# Altium PCB ZYNQ_IPMC.PcbDoc (part 1 of 6) (continued)
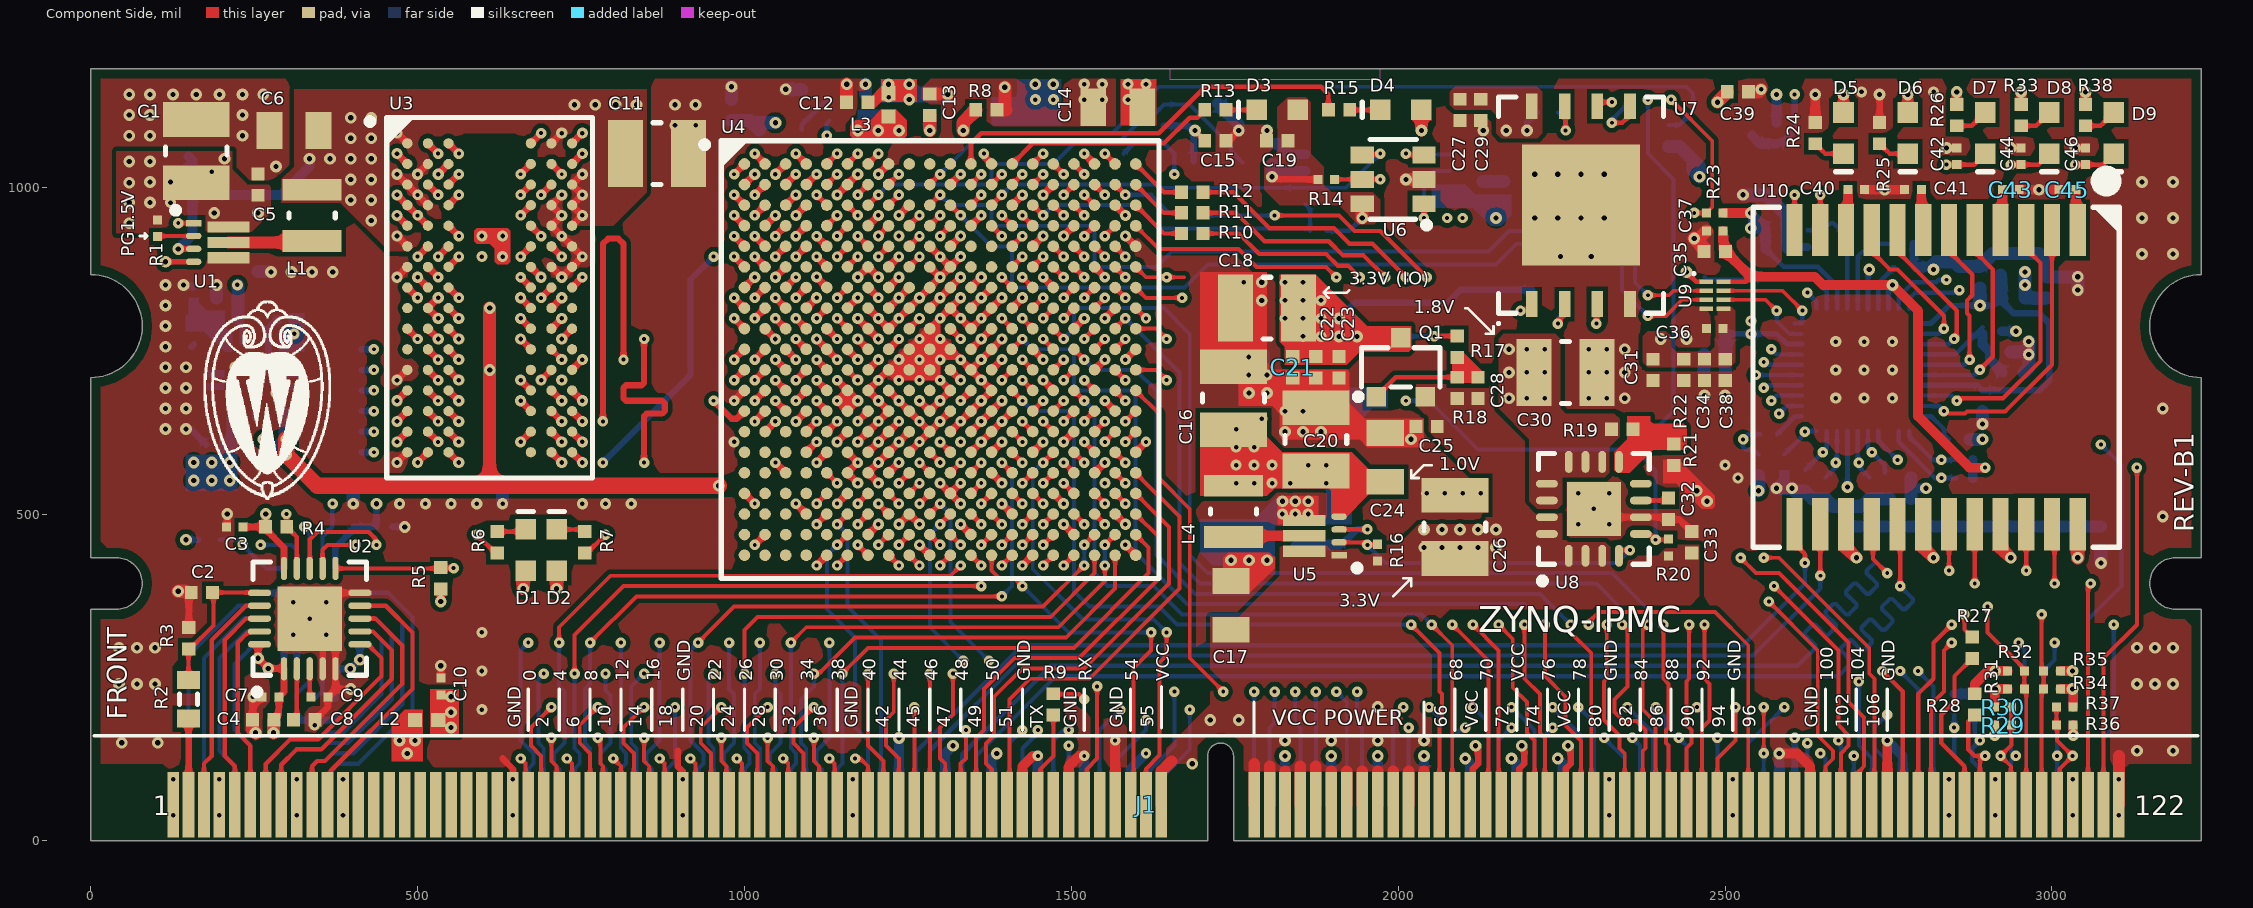
[diagram p0: Component Side view]
## Components (designator, comment, footprint, x,y, rotation, side; value= is the part's Value field where it differs from the comment)
C1 "?" C1210_IPC_H 161.42,1055.12 r90 top value=100uF (schematic designator C142)
C2 "?" C0402_IPC_H 170,380 r0 top value=47nF (schematic designator C95)
C3 "?" C0201_IPC_H 220.47,480.32 r0 top value=0.1uF (schematic designator C102)
C4 "?" C0402_IPC_H 263.78,185.04 r0 top value=10uF (schematic designator C101)
C5 "?" C0402_IPC_H 255.91,1003.94 r90 top value=10uF (schematic designator C139)
C6 "?" C0805_M 311.02,1086.61 r0 top value=47uF (schematic designator C140)
C7 "?" C0201_IPC_H 275,220 r0 top value=0.1uF (schematic designator C100)
C8 "?" C0402_IPC_H 326.77,185.04 r180 top value=10uF (schematic designator C96)
C9 "?" C0201_IPC_H 350,220 r180 top value=0.1uF (schematic designator C97)
C10 "?" C0201_IPC_H 535.43,236.22 r270 top value=0.1uF (schematic designator C106)
C11 "?" C1210_IPC_H 866.14,1051.18 r0 top value=100uF (schematic designator C67)
C12 "?" C0402_IPC_H 1172.64,1129.92 r180 top value=0.1uF (schematic designator C143)
C13 "?" C0402_IPC_H 1283.46,1125.98 r90 top value=0.47uF (schematic designator C77)
C14 "?" C0805_M 1570.87,1122.05 r180 top value=47uF (schematic designator C75)
C15 "?" C0402_IPC_H 1720.47,1070.87 r180 top value=0.1uF (schematic designator C147)
C16 "?" C1210_IPC_H 1748.03,677.17 r90 top value=100uF (schematic designator C78)
C17 "?" C0805_M 1744.09,360.24 r90 top value=47uF (schematic designator C132)
C18 "?" C1210_IPC_H 1799.21,814.96 r180 top value=100uF (schematic designator C39)
C19 "?" C0402_IPC_H 1814.96,1070.87 r180 top value=10uF (schematic designator C31)
C20 "?" C1210_IPC_H 1874.02,614.17 r90 top value=100uF (schematic designator C90)
C21 "?" C0402_IPC_H 1838.58,724.41 r270 top value=0.47uF (schematic designator C65)
C22 "?" C0402_IPC_H 1874.02,724.41 r270 top value=0.47uF (schematic designator C54)
C23 "?" C0402_IPC_H 1909.45,724.41 r270 top value=10uF (schematic designator C137)
C24 "?" C0805_M 1980.31,586.61 r270 top value=47uF (schematic designator C133)
C25 "?" C0402_IPC_H 2043.31,633.86 r180 top value=10uF (schematic designator C135)
C26 "?" C1210_IPC_H 2086.61,480.32 r90 top value=100uF (schematic designator C141)
C27 "?" C0402_IPC_H 2094.49,1118.11 r270 top value=0.1uF (schematic designator C32)
C28 "?" C0402_IPC_H 2122.05,692.91 r90 top value=10uF (schematic designator C136)
C29 "?" C0402_IPC_H 2125.98,1118.11 r270 top value=10uF (schematic designator C33)
C30 "?" C1210_IPC_H 2255.91,716.54 r0 top value=100uF (schematic designator C36)
C31 "?" C0402_IPC_H 2389.76,720.47 r90 top value=10uF (schematic designator C134)
C32 "?" C0402_IPC_H 2413.39,507.87 r270 top value=47nF (schematic designator C138)
C33 "?" C0402_IPC_H 2448.82,456.69 r90 top value=10uF (schematic designator C131)
C34 "?" C0402_IPC_H 2468.5,720.47 r270 top locked value=0.1uF (schematic designator C144)
C35 "?" C0402_IPC_H 2484.25,901.57 r0 top value=4.7uF (schematic designator C130)
C36 "?" C0201_IPC_H 2484.25,783.46 r0 top value=0.1uF (schematic designator C114)
C37 "?" C0201_IPC_H 2484.25,933.07 r0 top value=0.1uF (schematic designator C115)
C38 "?" C0402_IPC_H 2500,720.47 r270 top value=0.1uF (schematic designator C145)
C39 "?" C0402_IPC_H 2519.68,1145.67 r0 top value=0.1uF (schematic designator C146)
C40 "?" C0201_IPC_H 2700.79,996.06 r0 top value=0.1uF (schematic designator C108)
C41 "?" C0201_IPC_H 2787.4,996.06 r180 top value=0.1uF (schematic designator C109)
C42 "?" C0201_IPC_H 2854.33,1047.24 r270 top value=470pF (schematic designator C117)
C43 "?" C0201_IPC_H 2937.01,996.06 r0 top value=0.1uF (schematic designator C110)
C44 "?" C0201_IPC_H 2952.76,1047.24 r270 top value=470pF (schematic designator C116)
C45 "?" C0201_IPC_H 3023.62,996.06 r180 top value=0.1uF (schematic designator C111)
C46 "?" C0201_IPC_H 3051.18,1047.24 r270 top value=470pF (schematic designator C118)
C47 "?" C0402_IPC_H 3074.8,464.57 r90 bottom value=1000pF (schematic designator C107)
C48 "?" C0402_IPC_H 2992.13,846.46 r270 bottom value=0.1uF (schematic designator C119)
C49 "?" C0402_IPC_H 2940.94,716.54 r180 bottom value=0.1uF (schematic designator C124)
C50 "?" C0402_IPC_H 2921.26,748.03 r180 bottom value=4.7uF (schematic designator C125)
C51 "?" C0402_IPC_H 2921.26,881.89 r270 bottom value=0.1uF (schematic designator C128)
C52 "?" C0402_IPC_H 2893.7,673.23 r90 bottom value=0.1uF (schematic designator C127)
C53 "?" C0402_IPC_H 2889.76,862.2 r270 bottom value=0.1uF (schematic designator C126)
C54 "?" C0402_IPC_H 2767.72,523.62 r0 bottom value=4.7uF (schematic designator C129)
C55 "?" C0201_IPC_H 2775.59,913.39 r180 bottom value=27pF (schematic designator C113)
C56 "?" C0201_IPC_H 2625.98,921.26 r90 bottom value=27pF (schematic designator C112)
C57 "?" C0402_IPC_H 2578.15,905.51 r180 bottom value=0.1uF (schematic designator C122)
C58 "?" C0402_IPC_H 2578.15,937.01 r180 bottom value=10uF (schematic designator C123)
C59 "?" C0402_IPC_H 2484.25,712.6 r0 bottom value=10uF (schematic designator C120)
C60 "?" C0402_IPC_H 2484.25,744.09 r0 bottom value=0.1uF (schematic designator C121)
C61 "?" C1210_IPC_H 2255.91,716.54 r0 bottom value=100uF (schematic designator C58)
C62 "?" C0402_IPC_H 2161.42,992.13 r90 bottom value=0.1uF (schematic designator C34)
C63 "?" C0402_IPC_H 2129.92,992.13 r90 bottom value=10uF (schematic designator C35)
C64 "?" C1210_IPC_H 1874.02,614.17 r90 bottom value=100uF (schematic designator C79)
C65 "?" C1210_IPC_H 1799.21,814.96 r180 bottom value=100uF (schematic designator C51)
C66 "?" C0402_IPC_H 1807.09,1051.18 r90 bottom value=0.1uF (schematic designator C30)
C67 "?" C1210_IPC_H 1748.03,512.8 r270 bottom value=100uF (schematic designator C87)
C68 "?" C1210_IPC_H 1748.03,677.17 r90 bottom value=100uF (schematic designator C80)
C69 "?" C0402_IPC_H 1582.68,937.01 r270 bottom value=0.47uF (schematic designator C66)
C70 "?" C0402_IPC_H 1566.93,740.16 r180 bottom value=4.7uF (schematic designator C61)
C71 "?" C0402_IPC_H 1578.74,468.5 r90 bottom value=4.7uF (schematic designator C53)
C72 "?" C0402_IPC_H 1555.12,562.99 r270 bottom value=0.47uF (schematic designator C55)
C73 "?" C0402_IPC_H 1539.37,795.28 r0 bottom value=0.47uF (schematic designator C64)
C74 "?" C0805_M 1496.06,1122.05 r0 bottom value=47uF (schematic designator C48)
C75 "?" C0402_IPC_H 1472.44,921.26 r0 bottom value=4.7uF (schematic designator C37)
C76 "?" C0402_IPC_H 1484.25,500 r90 bottom value=0.47uF (schematic designator C57)
C77 "?" C0402_IPC_H 1468.5,610.24 r0 bottom value=4.7uF (schematic designator C52)
C78 "?" C0402_IPC_H 1456.69,716.54 r90 bottom value=0.47uF (schematic designator C63)
C79 "?" C0402_IPC_H 1437.01,984.25 r180 bottom value=0.47uF (schematic designator C38)
C80 "?" C0402_IPC_H 1409.45,826.77 r180 bottom value=4.7uF (schematic designator C62)
C81 "?" C0402_IPC_H 1377.95,610.24 r180 bottom value=0.47uF (schematic designator C83)
C82 "?" C0402_IPC_H 1377.95,641.73 r0 bottom value=4.7uF
C83 "?" C0402_IPC_H 1377.95,673.23 r180 bottom value=0.47uF (schematic designator C85)
C84 "?" C0402_IPC_H 1377.95,736.22 r180 bottom value=4.7uF (schematic designator C81)
C85 "?" C0402_IPC_H 1377.95,767.72 r0 bottom value=0.47uF (schematic designator C86)
C86 "?" C0402_IPC_H 1389.76,531.5 r90 bottom value=0.47uF (schematic designator C56)
C87 "?" C0402_IPC_H 1346.46,704.72 r0 bottom value=4.7uF (schematic designator C59)
C88 "?" C0402_IPC_H 1362.2,846.46 r90 bottom value=0.47uF (schematic designator C84)
C89 "?" C0402_IPC_H 1334.65,500 r270 bottom value=0.47uF (schematic designator C47)
C90 "?" C0402_IPC_H 1330.71,846.46 r270 bottom value=4.7uF (schematic designator C88)
C91 "?" C0402_IPC_H 1330.71,909.45 r90 bottom value=0.1uF (schematic designator C149)
C92 "?" C0402_IPC_H 1299.21,657.48 r90 bottom value=0.47uF (schematic designator C60)
C93 "?" C0402_IPC_H 1299.21,846.46 r90 bottom value=0.47uF (schematic designator C89)
C94 "?" C0402_IPC_H 1251.97,673.23 r0 bottom value=4.7uF (schematic designator C49)
C95 "?" C0402_IPC_H 1251.97,799.21 r180 bottom value=0.1uF (schematic designator C76)
C96 "?" C0402_IPC_H 1251.97,830.71 r0 bottom value=0.47uF (schematic designator C50)
C97 "?" C0402_IPC_H 1263.78,468.5 r90 bottom value=0.47uF (schematic designator C44)
C98 "?" C0402_IPC_H 1220.47,610.24 r0 bottom value=0.47uF (schematic designator C94)
C99 "?" C0402_IPC_H 1220.47,736.22 r0 bottom value=0.47uF (schematic designator C92)
C100 "?" C0402_IPC_H 1220.47,862.2 r180 bottom value=0.47uF (schematic designator C73)
C101 "?" C0402_IPC_H 1220.47,956.69 r0 bottom value=4.7uF (schematic designator C40)
C102 "?" C0402_IPC_H 1219.88,578.74 r180 bottom value=0.47uF (schematic designator C45)
C103 "?" C0402_IPC_H 1216.54,484.25 r0 bottom value=0.47uF (schematic designator C46)
C104 "?" C0402_IPC_H 1188.98,547.24 r0 bottom value=4.7uF (schematic designator C42)
C105 "?" C0402_IPC_H 1188.98,673.23 r0 bottom value=4.7uF (schematic designator C43)
C106 "?" C0402_IPC_H 1188.98,767.72 r180 bottom value=0.47uF (schematic designator C93)
C107 "?" C0402_IPC_H 1188.98,799.21 r0 bottom value=4.7uF (schematic designator C91)
C108 "?" C0402_IPC_H 1185.04,1019.68 r0 bottom value=0.47uF (schematic designator C41)
C109 "?" C0402_IPC_H 1185.04,1125.98 r90 bottom value=10uF (schematic designator C74)
C110 "?" C0402_IPC_H 1157.48,610.24 r180 bottom value=0.1uF (schematic designator C1)
C111 "?" C0402_IPC_H 1173.23,846.46 r270 bottom value=0.1uF (schematic designator C2)
C112 "?" C0402_IPC_H 1062.99,641.73 r0 bottom value=0.47uF (schematic designator C69)
C113 "?" C0402_IPC_H 1062.99,956.69 r0 bottom value=0.47uF (schematic designator C71)
C114 "?" C0402_IPC_H 1047.24,751.97 r90 bottom value=0.47uF (schematic designator C70)
C115 "?" C0402_IPC_H 1031.5,862.2 r0 bottom value=4.7uF (schematic designator C68)
C116 "?" C0402_IPC_H 1031.5,1019.68 r180 bottom value=0.47uF (schematic designator C72)
C117 "?" C0402_IPC_H 980.31,1118.11 r270 bottom value=0.1uF (schematic designator C148)
C118 "?" C0201_IPC_H 751.97,594.49 r270 bottom value=0.1uF (schematic designator C24)
C119 "?" C0201_IPC_H 751.97,657.48 r270 bottom value=0.1uF (schematic designator C23)
C120 "?" C0201_IPC_H 751.97,1035.43 r90 bottom value=0.1uF (schematic designator C18)
C121 "?" C0201_IPC_H 736.22,956.69 r180 bottom value=0.1uF (schematic designator C20)
C122 "?" C0201_IPC_H 736.22,988.19 r180 bottom value=0.1uF (schematic designator C19)
C123 "?" C0201_IPC_H 736.22,1082.68 r0 bottom value=0.1uF (schematic designator C17)
C124 "?" C0201_IPC_H 720.47,814.96 r90 bottom value=0.1uF (schematic designator C22)
C125 "?" C0201_IPC_H 704.72,704.72 r180 bottom value=0.1uF (schematic designator C4)
C126 "?" C0201_IPC_H 704.72,862.2 r0 bottom value=0.1uF (schematic designator C21)
C127 "?" C0402_IPC_H 629.92,547.24 r90 bottom value=10uF (schematic designator C16)
C128 "?" C0402_IPC_H 629.92,877.95 r270 bottom value=10uF (schematic designator C15)
C129 "?" C0201_IPC_H 531.5,783.46 r90 bottom value=0.1uF (schematic designator C10)
C130 "?" C0201_IPC_H 515.75,1019.68 r0 bottom value=0.1uF (schematic designator C6)
C131 "?" C0201_IPC_H 514.76,830.71 r180 bottom value=0.1uF (schematic designator C3)
C132 "?" C0201_IPC_H 484.25,862.2 r180 bottom value=0.1uF (schematic designator C9)
C133 "?" C0201_IPC_H 468.5,1003.94 r270 bottom value=0.1uF (schematic designator C7)
C134 "?" C0201_IPC_H 468.5,1066.93 r270 bottom value=0.1uF (schematic designator C5)
C135 "?" C0201_IPC_H 468.5,625.98 r90 bottom value=0.1uF (schematic designator C12)
C136 "?" C0201_IPC_H 468.5,688.98 r90 bottom value=0.1uF (schematic designator C11)
C137 "?" C0201_IPC_H 468.5,940.94 r90 bottom value=0.1uF (schematic designator C8)
C138 "?" C0201_IPC_H 448.82,480.32 r180 bottom value=0.1uF (schematic designator C105)
C139 "?" C0402_IPC_H 401.57,547.24 r90 bottom value=10uF (schematic designator C14)
C140 "?" C0201_IPC_H 374.02,204.72 r90 bottom value=0.1uF (schematic designator C103)
C141 "?" C0402_IPC_H 342.52,200.79 r90 bottom value=10uF (schematic designator C98)
C142 "?" C0201_IPC_H 314.96,200.79 r90 bottom value=0.1uF (schematic designator C99)
C143 "?" C0201_IPC_H 299.21,799.21 r0 bottom value=0.1uF (schematic designator C26)
C144 "?" C0201_IPC_H 271.65,590.55 r0 bottom value=0.1uF (schematic designator C25)
C145 "?" C0402_IPC_H 263.78,185.04 r0 bottom value=10uF (schematic designator C104)
C146 "?" C0402_IPC_H 255.91,854.33 r270 bottom value=10uF (schematic designator C13)
C147 "?" C0402_IPC_H 208.66,830.71 r0 bottom value=10uF (schematic designator C29)
C148 "?" C0402_IPC_H 192.91,606.3 r0 bottom value=10uF (schematic designator C28)
C149 "?" C0201_IPC_H 157.48,834.65 r270 bottom value=0.1uF (schematic designator C27)
D1 "?" LED0603_M 665.35,444.88 r90 top value=RED (schematic designator D7)
D2 "?" LED0603_M 712.6,444.88 r90 top value=YELLOW (schematic designator D6)
D3 "?" LED0603_M 1814.96,1118.11 r180 top value=RED (schematic designator D8)
D4 "?" LED0603_M 2003.94,1118.11 r180 top value=YELLOW (schematic designator D9)
D5 "?" LED0603_M 2681.1,1082.68 r270 top value=GREEN
D6 "?" LED0603_M 2779.53,1082.68 r270 top value=GREEN (schematic designator D4)
D7 "?" LED0603_M 2897.64,1082.68 r270 top value=YELLOW (schematic designator D2)
D8 "?" LED0603_M 2996.06,1082.68 r270 top value=GREEN (schematic designator D3)
D9 "?" LED0603_M 3094.49,1082.68 r270 top value=RED (schematic designator D1)
J1 "MINIDIMM244" MINIDIMM244 125.98,55.12 r0 top locked
L1 "DFE252012F-R47M=P2" L2520_H 338.58,956.69 r90 top value=0.47uH (schematic designator L9)
L2 "BK1005HM241-T" L0402_H 513.78,185.04 r180 top value=240 (schematic designator L4)
L3 "BK1005HM241-T" L0402_H 1220.47,1125.98 r90 top value=240 (schematic designator L1)
L4 "DFE252012F-R47M=P2" L2520_H 1748.03,503.94 r90 top value=0.47uH (schematic designator L8)
L5 "BK1005HM241-T" L0402_H 2940.94,830.71 r180 bottom value=240 (schematic designator L7)
L6 "BK1005HM241-T" L0402_H 2905.51,779.53 r0 bottom value=240 (schematic designator L5)
L7 "Wurth 74438323047" L2520_H 2503.94,822.83 r90 bottom locked value=4.7uH (schematic designator L6)
L8 "BK1005HM241-T" L0402_H 1283.46,1125.98 r90 bottom value=240 (schematic designator L3)
L9 "BK1005HM241-T" L0402_H 1220.47,1125.98 r90 bottom value=240 (schematic designator L2)
Q1 "NTR2101P" SOT23-H 2003.94,724.41 r90 top
Q2 "NDS331N" SOT23-H 2496.06,1078.74 r0 bottom (schematic designator Q3)
Q3 "NDS331N" SOT23-H 2003.94,724.41 r90 bottom (schematic designator Q2)
R1 "?" R0201_IPC_H 102.36,937.01 r90 top value=10K (schematic designator R80)
R2 "?" R0603 149.61,216.54 r90 top value=4.64K (schematic designator R42)
R3 "?" R0402_IPC_H 150,310 r270 top value=1K (schematic designator R43)
R4 "?" R0402_IPC_H 283.46,480.32 r180 top value=4.7K (schematic designator R44)
R5 "?" R0402_IPC_H 535.43,401.57 r270 top value=4.7K (schematic designator R45)
R6 "?" R0402_IPC_H 622.05,456.69 r270 top value=510 (schematic designator R82)
R7 "?" R0402_IPC_H 755.91,456.69 r270 top value=510 (schematic designator R81)
R8 "?" R0402_IPC_H 1370.08,1118.11 r0 top value=1K (schematic designator R90)
R9 "?" R0402_IPC_H 1472.44,208.66 r90 top value=49.9 (schematic designator R99)
R10 "?" R0402_IPC_H 1685.04,929.13 r180 top value=49.9 (schematic designator R83)
R11 "?" R0402_IPC_H 1685.04,960.63 r180 top value=49.9 (schematic designator R84)
R12 "?" R0402_IPC_H 1685.04,992.13 r180 top value=49.9 (schematic designator R86)
R13 "?" R0402_IPC_H 1720.47,1118.11 r180 top value=200 (schematic designator R111)
R14 "?" R0201_IPC_H 1889.76,1011.81 r0 top value=10K (schematic designator R32)
R15 "?" R0402_IPC_H 1909.45,1118.11 r180 top value=200 (schematic designator R112)
R16 "?" R0201_IPC_H 1968.5,440.94 r270 top value=10K (schematic designator R74)
R17 "?" R0402_IPC_H 2090.55,755.91 r270 top value=1K (schematic designator R75)
R18 "?" R0402_IPC_H 2090.55,692.91 r90 top value=24K (schematic designator R69)
R19 "?" R0402_IPC_H 2342.52,629.92 r180 top value=57.6K (schematic designator R70)
R20 "?" R0201_IPC_H 2413.39,448.82 r270 top value=10K (schematic designator R72)
R21 "?" R0402_IPC_H 2421.26,590.55 r90 top value=22.1K (schematic designator R73)
R22 "?" R0402_IPC_H 2437.01,720.47 r270 top value=10K (schematic designator R55)
R23 "?" R0201_IPC_H 2484.25,960.63 r0 top value=10K (schematic designator R59)
R24 "?" R0402_IPC_H 2637.8,1082.68 r90 top value=510 (schematic designator R79)
R25 "?" R0402_IPC_H 2736.22,1082.68 r90 top value=510 (schematic designator R78)
R26 "?" R0402_IPC_H 2854.33,1110.24 r270 top value=510 (schematic designator R60)
R27 "?" R0402_IPC_H 2877.95,295.28 r90 top value=49.9 (schematic designator R41)
R28 "?" R0402_IPC_H 2881.89,208.66 r270 top value=10K (schematic designator R38)
R29 "?" R0201_IPC_H 2925.2,177.17 r0 top value=10K (schematic designator R103)
R30 "?" R0201_IPC_H 2925.2,204.72 r0 top value=10K (schematic designator R113)
R31 "?" R0201_IPC_H 2944.88,232.28 r0 top value=10K (schematic designator R115)
R32 "?" R0201_IPC_H 2944.88,259.84 r0 top value=10K (schematic designator R105)
R33 "?" R0402_IPC_H 2952.76,1110.24 r270 top value=510 (schematic designator R61)
R34 "?" R0201_IPC_H 3000,232.28 r180 top value=10K (schematic designator R117)
R35 "?" R0201_IPC_H 3000,259.84 r180 top value=10K (schematic designator R107)
R36 "?" R0201_IPC_H 3019.68,177.17 r180 top value=10K (schematic designator R109)
R37 "?" R0201_IPC_H 3019.68,204.72 r180 top value=10K (schematic designator R119)
R38 "?" R0402_IPC_H 3051.18,1110.24 r270 top value=510 (schematic designator R58)
R39 "?" R0402_IPC_H 3039.37,464.57 r90 bottom value=75 (schematic designator R48)
R40 "?" R0201_IPC_H 3019.68,177.17 r180 bottom value=10K (schematic designator R110)
R41 "?" R0201_IPC_H 3019.68,204.72 r180 bottom value=10K (schematic designator R120)
R42 "?" R0201_IPC_H 3000,232.28 r180 bottom value=10K (schematic designator R118)
R43 "?" R0201_IPC_H 3000,259.84 r180 bottom value=10K (schematic designator R108)
R44 "?" R0201_IPC_H 2944.88,232.28 r0 bottom value=10K (schematic designator R116)
R45 "?" R0201_IPC_H 2944.88,259.84 r0 bottom value=10K (schematic designator R106)
R46 "?" R0201_IPC_H 2925.2,177.17 r0 bottom value=10K (schematic designator R104)
R47 "?" R0201_IPC_H 2925.2,204.72 r0 bottom value=10K (schematic designator R114)
R48 "?" R0402_IPC_H 2921.26,464.57 r90 bottom value=75 (schematic designator R49)
R49 "?" R0402_IPC_H 2881.89,208.66 r270 bottom value=10K (schematic designator R40)
R50 "?" R0201_IPC_H 2866.14,555.12 r0 bottom value=10K (schematic designator R56)
R51 "?" R0201_IPC_H 2866.14,582.68 r0 bottom value=10K (schematic designator R57)
R52 "?" R0402_IPC_H 2858.27,614.17 r0 bottom value=10K (schematic designator R53)
R53 "?" R0402_IPC_H 2850.39,208.66 r270 bottom value=10K (schematic designator R39)
R54 "?" R0402_IPC_H 2803.15,464.57 r90 bottom value=75 (schematic designator R50)
R55 "?" R0402_IPC_H 2775.59,877.95 r0 bottom value=2.37K (schematic designator R104)
R56 "?" R0402_IPC_H 2767.72,555.12 r180 bottom value=10K (schematic designator R67)
R57 "?" R0402_IPC_H 2720.47,539.37 r90 bottom value=10K (schematic designator R66)
R58 "?" R0402_IPC_H 2685.04,464.57 r90 bottom value=75 (schematic designator R51)
R59 "?" R0402_IPC_H 2653.54,539.37 r90 bottom value=10K (schematic designator R65)
R60 "?" R0402_IPC_H 2622.05,551.18 r90 bottom value=10K (schematic designator R64)
R61 "?" R0402_IPC_H 2590.55,574.8 r90 bottom value=10K (schematic designator R62)
R62 "?" R0402_IPC_H 2578.74,1082.68 r270 bottom value=4.7K (schematic designator R102)
R63 "?" R0201_IPC_H 2566.93,622.05 r0 bottom value=22 (schematic designator R52)
R64 "?" R0402_IPC_H 2551.18,574.8 r90 bottom value=10K (schematic designator R117)
R65 "?" R0402_IPC_H 2413.39,1078.74 r270 bottom value=4.7K (schematic designator R101)
R66 "?" R0402_IPC_H 2354.33,1114.17 r90 bottom value=20K (schematic designator R91)
R67 "?" R0402_IPC_H 2303.15,826.77 r270 bottom value=20K (schematic designator R93)
R68 "?" R0402_IPC_H 2303.15,1114.17 r90 bottom value=20K (schematic designator R95)
R69 "?" R0402_IPC_H 2251.97,826.77 r270 bottom value=20K (schematic designator R92)
R70 "?" R0402_IPC_H 2228.35,1114.17 r0 bottom value=20K (schematic designator R94)
R71 "?" R0402_IPC_H 2204.72,826.77 r270 bottom value=4.7K (schematic designator R33)
R72 "?" R0402_IPC_H 1909.45,468.5 r90 bottom value=22.1K (schematic designator R68)
R73 "?" R0201_IPC_H 1877.95,933.07 r180 bottom value=10K (schematic designator R34)
R74 "?" R0402_IPC_H 1842.52,468.5 r270 bottom value=86.6K (schematic designator R71)
R75 "?" R0402_IPC_H 1685.04,960.63 r180 bottom value=49.9 (schematic designator R85)
R76 "?" R0402_IPC_H 1641.73,1110.24 r90 bottom value=4.7K (schematic designator R87)
R77 "?" R0201_IPC_H 1566.93,1051.18 r0 bottom value=22 (schematic designator R100)
R78 "?" R0402_IPC_H 1370.08,1118.11 r180 bottom value=1K (schematic designator R89)
R79 "?" R0402_IPC_H 1314.96,610.24 r0 bottom value=4.7K (schematic designator R37)
R80 "?" R0402_IPC_H 1299.21,562.99 r270 bottom value=4.7K (schematic designator R36)
R81 "?" R0402_IPC_H 1220.47,925.2 r180 bottom value=20K (schematic designator R96)
R82 "?" R0402_IPC_H 1173.23,720.47 r90 bottom value=4.7K (schematic designator R35)
R83 "?" R0402_IPC_H 1141.73,972.44 r270 bottom value=20K (schematic designator R97)
R84 "?" R0402_IPC_H 1141.73,877.95 r90 bottom value=4.7K (schematic designator R98)
R85 "?" R0402_IPC_H 1129.92,1118.11 r90 bottom value=49.9 (schematic designator R88)
R86 "?" R0402_IPC_H 1110.24,783.46 r90 bottom value=80.6 (schematic designator R25)
R87 "?" R0402_IPC_H 1110.24,846.46 r90 bottom value=80.6 (schematic designator R26)
R88 "?" R0402_IPC_H 736.22,736.22 r180 bottom value=240 (schematic designator R27)
R89 "?" R0201_IPC_H 703.74,578.74 r180 bottom value=40.2 (schematic designator R15)
R90 "?" R0201_IPC_H 703.74,610.24 r180 bottom value=40.2 (schematic designator R17)
R91 "?" R0201_IPC_H 703.74,641.73 r180 bottom value=40.2 (schematic designator R19)
R92 "?" R0201_IPC_H 703.74,673.23 r180 bottom value=40.2 (schematic designator R8)
R93 "?" R0201_IPC_H 703.74,767.72 r180 bottom value=40.2 (schematic designator R1)
R94 "?" R0402_IPC_H 656.5,814.96 r90 bottom value=80.6 (schematic designator R24)
R95 "?" R0201_IPC_H 641.73,673.23 r180 bottom value=40.2 (schematic designator R22)
R96 "?" R0201_IPC_H 641.73,704.72 r180 bottom value=40.2 (schematic designator R11)
R97 "?" R0201_IPC_H 641.73,767.72 r180 bottom value=40.2 (schematic designator R13)
R98 "?" R0201_IPC_H 640.75,610.24 r180 bottom value=40.2 (schematic designator R12)
R99 "?" R0402_IPC_H 598.43,877.95 r270 bottom value=0 (schematic designator R29)
R100 "?" R0201_IPC_H 577.76,578.74 r0 bottom value=40.2 (schematic designator R10)
R101 "?" R0201_IPC_H 577.76,610.24 r0 bottom value=40.2 (schematic designator R14)
R102 "?" R0201_IPC_H 577.76,641.73 r0 bottom value=40.2 (schematic designator R21)
R103 "?" R0201_IPC_H 577.76,673.23 r0 bottom value=40.2 (schematic designator R23)
R104 "?" R0201_IPC_H 577.76,704.72 r0 bottom value=40.2 (schematic designator R9)
R105 "?" R0201_IPC_H 577.76,736.22 r0 bottom value=40.2 (schematic designator R6)
R106 "?" R0201_IPC_H 577.76,767.72 r0 bottom value=40.2 (schematic designator R5)
R107 "?" R0201_IPC_H 577.76,799.21 r0 bottom value=40.2 (schematic designator R4)
R108 "?" R0402_IPC_H 484.25,578.74 r0 bottom value=4.7K (schematic designator R28)
R109 "?" R0201_IPC_H 401.57,594.49 r180 bottom value=40.2 (schematic designator R16)
R110 "?" R0201_IPC_H 401.57,625.98 r180 bottom value=40.2 (schematic designator R18)
R111 "?" R0201_IPC_H 401.57,657.48 r180 bottom value=40.2 (schematic designator R20)
R112 "?" R0201_IPC_H 401.57,688.98 r180 bottom value=40.2 (schematic designator R7)
R113 "?" R0201_IPC_H 401.57,720.47 r180 bottom value=40.2 (schematic designator R3)
R114 "?" R0201_IPC_H 401.57,751.97 r180 bottom value=40.2 (schematic designator R2)
R115 "?" R0402_IPC_H 385.83,480.32 r0 bottom value=4.7K (schematic designator R46)
R116 "?" R0402_IPC_H 208.66,799.21 r0 bottom value=2.37K (schematic designator R30)
R117 "?" R0402_IPC_H 181.1,460.63 r180 bottom value=4.7K (schematic designator R47)
R118 "?" R0402_IPC_H 173.23,988.19 r0 bottom value=41.2K (schematic designator R76)
R119 "?" R0402_IPC_H 157.48,775.59 r90 bottom value=2.37K (schematic designator R31)
R120 "?" R0402_IPC_H 149.61,1062.99 r270 bottom value=47K (schematic designator R77)
U1 "TPS62085" VSON-8_L 157.48,905.51 r0 top (schematic designator U14)
U2 "AD7689BCPZ" CP-20-4_N 335,340 r90 top (schematic designator U7)
U3 "MT41J128M16JT-96" MICT-JT-96 610.24,830.71 r0 top locked (schematic designator U2)
U4 "XNLX-XC7Z014S-CLG400" CLG400 1299.21,736.22 r0 top locked (schematic designator U1)
U5 "TPS62085" VSON-8_L 1909.45,476.38 r180 top (schematic designator U12)
U6 "25AA02E48T-I/OT" SOT-23-OT6_L 1992.13,1011.81 r180 top (schematic designator U4)
U7 "MX66L51235F" SON127P800X80_HS-9_N 2279.53,972.44 r90 top (schematic designator U5)
U8 "ADP1755ACPZ-R7" CP-16-4_L 2299.21,507.87 r90 top locked (schematic designator U13)
U9 "TXS0102" X2SON-8_H 2484.25,834.65 r0 top (schematic designator U11)
U10 "H5077NL" H5077NL 2822.83,709.25 r270 top (schematic designator U9)
U11 "AR8035" QFN40_H 2710.63,720.47 r270 bottom locked (schematic designator U10)
U12 "25AA256-I/ST" TSSOP-ST8_L 1968.5,1011.81 r0 bottom (schematic designator U6)
U13 "DS1818" SOT23-H 1724.41,1082.68 r90 bottom (schematic designator U15)
U14 "AD7689BCPZ" CP-20-4_N 335,340 r90 bottom (schematic designator U8)
U15 "TPS51200DRCR" DRC0010J_V 251.97,704.72 r270 bottom (schematic designator U3)
X1 "XRCGB25M000F3M00R0" XRCGB_F 51167.32,-47993.11 r0 bottom value=25MHz
Y1 "ASDMB-33.333MHZ-LY-T" ABRA-ASDMB-4_V 1055.12,1118.11 r0 bottom

## Footprints (in the part's own frame and the unit in brackets; to place one, negate y for a bottom-side part, rotate by r counter-clockwise, add the part's x,y. Pads: shape width x height; smd on the part's side, far side on the other; paste and mask are expansions set on the pad)
ABRA-ASDMB-4_V [mm] "SMD, 4-Leads, Body 2.5x2mm, Height 0.9mm"
  rect 0.65x0.85 smd: 1(-0.825,-0.775) 2(0.825,-0.775) 3(0.825,0.775) 4(-0.825,0.775)
  silkscreen extent -1.82,-0.9 -1.57,-0.65, body extent -1.25,-1 1.25,1, height 0.9
C0201_IPC_H [mm] "Chip Capacitor, 2-Leads, Body 0.60x0.30mm, IPC High Density"
  rect 0.35x0.35 smd: 1(-0.325,0) 2(0.325,0)
  body extent -0.31,-0.16 0.32,0.17, height 0.33
C0402_IPC_H [mm] "Chip Capacitor, 2-Leads, Body 1.00x0.50mm, IPC High Density"
  rect 0.5x0.52 smd: 1(-0.415,0) 2(0.415,0)
  body extent -0.53,-0.28 0.53,0.28, height 0.55
C0805_M [mm] "Chip Capacitor, 2-Leads, Body 2.00x1.25mm, IPC Medium Density"
  rect 1x1.45 smd: 1(-0.95,0) 2(0.95,0)
  body extent -1.1,-0.63 0.9,0.63, height 1
C1210_IPC_H [mm] "Chip Capacitor, 2-Leads, Body 3.20x2.50mm, IPC High Density"
  rect 1.35x2.6 smd: 1(-1.225,0) 2(1.225,0)
  silkscreen extent -0.15,-1.2 0.15,1.2, body extent -1.75,-1.35 1.75,1.35, height 2.7
CLG400 [mm] "BGA, 400-Balls, Body 17x17mm, Pitch 0.8mm"
  round 0.45 smd paste+0: A1(-7.6,7.6) A2(-6.8,7.6) A3(-6,7.6) A4(-5.2,7.6) A5(-4.4,7.6) A6(-3.6,7.6) A7(-2.8,7.6) A8(-2,7.6) A9(-1.2,7.6) A10(-0.4,7.6) A11(0.4,7.6) A12(1.2,7.6) A13(2,7.6) A14(2.8,7.6) A15(3.6,7.6) A16(4.4,7.6) A17(5.2,7.6) A18(6,7.6) A19(6.8,7.6) A20(7.6,7.6) B1(-7.6,6.8) B2(-6.8,6.8) B3(-6,6.8) B4(-5.2,6.8) B5(-4.4,6.8) B6(-3.6,6.8) B7(-2.8,6.8) B8(-2,6.8) B9(-1.2,6.8) B10(-0.4,6.8) B11(0.4,6.8) B12(1.2,6.8) B13(2,6.8) B14(2.8,6.8) B15(3.6,6.8) B16(4.4,6.8) B17(5.2,6.8) B18(6,6.8) B19(6.8,6.8) B20(7.6,6.8) C1(-7.6,6) C2(-6.8,6) C3(-6,6) C4(-5.2,6) C5(-4.4,6) C6(-3.6,6) C7(-2.8,6) C8(-2,6) C9(-1.2,6) C10(-0.4,6) C11(0.4,6) C12(1.2,6) C13(2,6) C14(2.8,6) C15(3.6,6) C16(4.4,6) C17(5.2,6) C18(6,6) C19(6.8,6) C20(7.6,6) D1(-7.6,5.2) D2(-6.8,5.2) D3(-6,5.2) D4(-5.2,5.2) D5(-4.4,5.2) D6(-3.6,5.2) D7(-2.8,5.2) D8(-2,5.2) D9(-1.2,5.2) D10(-0.4,5.2) D11(0.4,5.2) D12(1.2,5.2) D13(2,5.2) D14(2.8,5.2) D15(3.6,5.2) D16(4.4,5.2) D17(5.2,5.2) D18(6,5.2) D19(6.8,5.2) D20(7.6,5.2) E1(-7.6,4.4) E2(-6.8,4.4) E3(-6,4.4) E4(-5.2,4.4) E5(-4.4,4.4) E6(-3.6,4.4) E7(-2.8,4.4) E8(-2,4.4) E9(-1.2,4.4) E10(-0.4,4.4) E11(0.4,4.4) E12(1.2,4.4) E13(2,4.4) E14(2.8,4.4) E15(3.6,4.4) E16(4.4,4.4) E17(5.2,4.4) E18(6,4.4) E19(6.8,4.4) E20(7.6,4.4) F1(-7.6,3.6) F2(-6.8,3.6) F3(-6,3.6) F4(-5.2,3.6) F5(-4.4,3.6) F6(-3.6,3.6) F7(-2.8,3.6) F8(-2,3.6) F9(-1.2,3.6) F10(-0.4,3.6) F11(0.4,3.6) F12(1.2,3.6) F13(2,3.6) F14(2.8,3.6) F15(3.6,3.6) F16(4.4,3.6) F17(5.2,3.6) F18(6,3.6) F19(6.8,3.6) F20(7.6,3.6) G1(-7.6,2.8) G2(-6.8,2.8) G3(-6,2.8) G4(-5.2,2.8) G5(-4.4,2.8) G6(-3.6,2.8) G7(-2.8,2.8) G8(-2,2.8) G9(-1.2,2.8) G10(-0.4,2.8) G11(0.4,2.8) G12(1.2,2.8) G13(2,2.8) G14(2.8,2.8) G15(3.6,2.8) G16(4.4,2.8) G17(5.2,2.8) G18(6,2.8) G19(6.8,2.8) G20(7.6,2.8) H1(-7.6,2) H2(-6.8,2) H3(-6,2) H4(-5.2,2) H5(-4.4,2) H6(-3.6,2) H7(-2.8,2) H8(-2,2) H9(-1.2,2) H10(-0.4,2) H11(0.4,2) H12(1.2,2) H13(2,2) H14(2.8,2) H15(3.6,2) H16(4.4,2) H17(5.2,2) H18(6,2) H19(6.8,2) H20(7.6,2) J1(-7.6,1.2) J2(-6.8,1.2) J3(-6,1.2) J4(-5.2,1.2) J5(-4.4,1.2) J6(-3.6,1.2) J7(-2.8,1.2) J8(-2,1.2) J9(-1.2,1.2) J10(-0.4,1.2) J11(0.4,1.2) J12(1.2,1.2) J13(2,1.2) J14(2.8,1.2) J15(3.6,1.2) J16(4.4,1.2) J17(5.2,1.2) J18(6,1.2) J19(6.8,1.2) J20(7.6,1.2) K1(-7.6,0.4) K2(-6.8,0.4) K3(-6,0.4) K4(-5.2,0.4) K5(-4.4,0.4) K6(-3.6,0.4) K7(-2.8,0.4) K8(-2,0.4) K9(-1.2,0.4) K10(-0.4,0.4) K11(0.4,0.4) K12(1.2,0.4) K13(2,0.4) K14(2.8,0.4) K15(3.6,0.4) K16(4.4,0.4) K17(5.2,0.4) K18(6,0.4) K19(6.8,0.4) K20(7.6,0.4) L1(-7.6,-0.4) L2(-6.8,-0.4) L3(-6,-0.4) L4(-5.2,-0.4) L5(-4.4,-0.4) L6(-3.6,-0.4) L7(-2.8,-0.4) L8(-2,-0.4) L9(-1.2,-0.4) L10(-0.4,-0.4) L11(0.4,-0.4) L12(1.2,-0.4) L13(2,-0.4) L14(2.8,-0.4) L15(3.6,-0.4) L16(4.4,-0.4) L17(5.2,-0.4) L18(6,-0.4) L19(6.8,-0.4) L20(7.6,-0.4) M1(-7.6,-1.2) M2(-6.8,-1.2) M3(-6,-1.2) M4(-5.2,-1.2) M5(-4.4,-1.2) M6(-3.6,-1.2) M7(-2.8,-1.2) M8(-2,-1.2) M9(-1.2,-1.2) M10(-0.4,-1.2) M11(0.4,-1.2) M12(1.2,-1.2) M13(2,-1.2) M14(2.8,-1.2) M15(3.6,-1.2) M16(4.4,-1.2) M17(5.2,-1.2) M18(6,-1.2) M19(6.8,-1.2) M20(7.6,-1.2) N1(-7.6,-2) N2(-6.8,-2) N3(-6,-2) N4(-5.2,-2) N5(-4.4,-2) N6(-3.6,-2) N7(-2.8,-2) N8(-2,-2) N9(-1.2,-2) N10(-0.4,-2) N11(0.4,-2) N12(1.2,-2) N13(2,-2) N14(2.8,-2) N15(3.6,-2) N16(4.4,-2) N17(5.2,-2) N18(6,-2) N19(6.8,-2) N20(7.6,-2) P1(-7.6,-2.8) P2(-6.8,-2.8) P3(-6,-2.8) P4(-5.2,-2.8) P5(-4.4,-2.8) P6(-3.6,-2.8) P7(-2.8,-2.8) P8(-2,-2.8) P9(-1.2,-2.8) P10(-0.4,-2.8) P11(0.4,-2.8) P12(1.2,-2.8) P13(2,-2.8) P14(2.8,-2.8) P15(3.6,-2.8) P16(4.4,-2.8) P17(5.2,-2.8) P18(6,-2.8) P19(6.8,-2.8) P20(7.6,-2.8) R1(-7.6,-3.6) R2(-6.8,-3.6) R3(-6,-3.6) R4(-5.2,-3.6) R5(-4.4,-3.6) R6(-3.6,-3.6) R7(-2.8,-3.6) R8(-2,-3.6) R9(-1.2,-3.6) R10(-0.4,-3.6) R11(0.4,-3.6) R12(1.2,-3.6) R13(2,-3.6) R14(2.8,-3.6) R15(3.6,-3.6) R16(4.4,-3.6) R17(5.2,-3.6) R18(6,-3.6) R19(6.8,-3.6) R20(7.6,-3.6) T1(-7.6,-4.4) T2(-6.8,-4.4) T3(-6,-4.4) T4(-5.2,-4.4) T5(-4.4,-4.4) T6(-3.6,-4.4) T7(-2.8,-4.4) T8(-2,-4.4) T9(-1.2,-4.4) T10(-0.4,-4.4) T11(0.4,-4.4) T12(1.2,-4.4) T13(2,-4.4) T14(2.8,-4.4) T15(3.6,-4.4) T16(4.4,-4.4) T17(5.2,-4.4) T18(6,-4.4) T19(6.8,-4.4) T20(7.6,-4.4) U1(-7.6,-5.2) U2(-6.8,-5.2) U3(-6,-5.2) U4(-5.2,-5.2) U5(-4.4,-5.2) U6(-3.6,-5.2) U7(-2.8,-5.2) U8(-2,-5.2) U9(-1.2,-5.2) U10(-0.4,-5.2) U11(0.4,-5.2) U12(1.2,-5.2) U13(2,-5.2) U14(2.8,-5.2) U15(3.6,-5.2) U16(4.4,-5.2) U17(5.2,-5.2) U18(6,-5.2) U19(6.8,-5.2) U20(7.6,-5.2) V1(-7.6,-6) V2(-6.8,-6) V3(-6,-6) V4(-5.2,-6) V5(-4.4,-6) V6(-3.6,-6) V7(-2.8,-6) V8(-2,-6) V9(-1.2,-6) V10(-0.4,-6) V11(0.4,-6) V12(1.2,-6) V13(2,-6) V14(2.8,-6) V15(3.6,-6) V16(4.4,-6) V17(5.2,-6) V18(6,-6) V19(6.8,-6) V20(7.6,-6) W1(-7.6,-6.8) W2(-6.8,-6.8) W3(-6,-6.8) W4(-5.2,-6.8) W5(-4.4,-6.8) W6(-3.6,-6.8) W7(-2.8,-6.8) W8(-2,-6.8) W9(-1.2,-6.8) W10(-0.4,-6.8) W11(0.4,-6.8) W12(1.2,-6.8) W13(2,-6.8) W14(2.8,-6.8) W15(3.6,-6.8) W16(4.4,-6.8) W17(5.2,-6.8) W18(6,-6.8) W19(6.8,-6.8) W20(7.6,-6.8) Y1(-7.6,-7.6) Y2(-6.8,-7.6) Y3(-6,-7.6) Y4(-5.2,-7.6) Y5(-4.4,-7.6) Y6(-3.6,-7.6) Y7(-2.8,-7.6) Y8(-2,-7.6) Y9(-1.2,-7.6) Y10(-0.4,-7.6) Y11(0.4,-7.6) Y12(1.2,-7.6) Y13(2,-7.6) Y14(2.8,-7.6) Y15(3.6,-7.6) Y16(4.4,-7.6) Y17(5.2,-7.6) Y18(6,-7.6) Y19(6.8,-7.6) Y20(7.6,-7.6)
  silkscreen extent -9.27,-8.5 8.5,8.5, body extent -8.5,-8.5 8.5,8.5, height 1.6
CP-16-4_L [mm] "QFN, 16-Leads, Body 4x4mm, Pitch 0.65mm, Thermal Pad 2.1x2.1mm, IPC High Density"
  oval 0.85x0.3 smd: 1(-1.825,0.975) 2(-1.825,0.325) 3(-1.825,-0.325) 4(-1.825,-0.975) 9(1.825,-0.975) 10(1.825,-0.325) 11(1.825,0.325) 12(1.825,0.975)
  oval 0.3x0.85 smd: 5(-0.975,-1.825) 6(-0.325,-1.825) 7(0.325,-1.825) 8(0.975,-1.825) 13(0.975,1.825) 14(0.325,1.825) 15(-0.325,1.825) 16(-0.975,1.825)
  rect 2.1x2.1 smd paste-20: 17(0,0)
  silkscreen extent -2.92,-2.15 2.15,2.15, body extent -2,-2 2,2, height 1
CP-20-4_N [mm] "QFN, 20-Leads, Body 4x4mm, Pitch 0.5mm, Thermal Pad 2.5x2.5mm, IPC Medium Density"
  oval 0.9x0.25 smd: 1(-1.95,1) 2(-1.95,0.5) 3(-1.95,0) 4(-1.95,-0.5) 5(-1.95,-1) 11(1.95,-1) 12(1.95,-0.5) 13(1.95,0) 14(1.95,0.5) 15(1.95,1)
  oval 0.25x0.9 smd: 6(-1,-1.95) 7(-0.5,-1.95) 8(0,-1.95) 9(0.5,-1.95) 10(1,-1.95) 16(1,1.95) 17(0.5,1.95) 18(0,1.95) 19(-0.5,1.95) 20(-1,1.95)
  rect 2.5x2.5 smd paste-20: 21(0,0)
  silkscreen extent -2.97,-2.2 2.2,2.2, body extent -2.05,-2.05 2.05,2.05, height 1
DRC0010J_V [mm] "SON, 10-Leads, Body 3x3mm, Pitch 0.5mm, Thermal Pad 2.4x1.65mm, TI Recommended"
  rrect36% 0.85x0.28 smd paste-0.025 mask+0.07: 1(-1.475,1) 2(-1.475,0.5) 3(-1.475,0) 4(-1.475,-0.5) 5(-1.475,-1) 6(1.475,-1) 7(1.475,-0.5) 8(1.475,0) 9(1.475,0.5) 10(1.475,1)
  rrect6% 1.65x2.4 smd paste-0.825 mask+0.07: 11(0,0)
  Component Side region: -0.388,-1.199 -0.108,-1.199 -0.108,-1.899 -0.388,-1.899
  Component Side region: 0.389,-1.9 0.109,-1.9 0.109,-1.2 0.389,-1.2
  Component Side region: 0.389,1.2 0.109,1.2 0.109,1.9 0.389,1.9
  Component Side region: -0.388,1.899 -0.108,1.899 -0.108,1.199 -0.388,1.199
  silkscreen extent -2.15,-1.7 1.7,1.7, body extent -1.55,-1.55 1.55,1.55, height 1
H5077NL [mm] "SOJ, 24-Leads, Body 13.97x12.57mm, Pitch 1.00mm, IPC High Density"
  rect 2.03x0.63 smd: 1(-5.715,5.5) 2(-5.715,4.5) 3(-5.715,3.5) 4(-5.715,2.5) 5(-5.715,1.5) 6(-5.715,0.5) 7(-5.715,-0.5) 8(-5.715,-1.5) 9(-5.715,-2.5) 10(-5.715,-3.5) 11(-5.715,-4.5) 12(-5.715,-5.5) 13(5.715,-5.5) 14(5.715,-4.5) 15(5.715,-3.5) 16(5.715,-2.5) 17(5.715,-1.5) 18(5.715,-0.5) 19(5.715,0.5) 20(5.715,1.5) 21(5.715,2.5) 22(5.715,3.5) 23(5.715,4.5) 24(5.715,5.5)
  silkscreen extent -7.92,-7.11 6.6,7.11, body extent -6.28,-6.99 6.28,6.99, height 4.57
L0402_H [mm] "Chip Inductor, 2-Leads, Body 1.00x0.50mm, IPC High Density"
  rect 0.55x0.55 smd: 1(-0.45,0) 2(0.45,0)
  body extent -0.53,-0.28 0.53,0.28, height 0.55
L2520_H [mm] "Chip Inductor, 2-Leads, Body 2.50x2.00mm, IPC High Density"
  rect 0.85x2.3 smd: 1(-1,0) 2(1,0)
  silkscreen extent -0.1,-0.9 0.1,0.9, body extent -1.35,-1.1 1.35,1.1, height 1.2
LED0603_M [mm] "Chip LED, 2-Leads, Body 1.6x0.8mm, IPC Medium Density"
  rect 0.8x0.8 smd: 1(-0.8,0) 2(0.8,0)
  silkscreen extent 1.5,-0.3 1.5,0.3, body extent -0.8,-0.4 0.8,0.4, height 0.7